# Altium PCB Science_Board_PCB.PcbDoc (part 2 of 2)
Units mil, origin at the board's own origin, x right, y up, seen from the top; angles counter-clockwise.
Board outline 5375 x 3000 mil, 4 copper layers (Top Layer, Mid Layer 1, Mid Layer 2, Bottom Layer), stack 78.937 mil thick; 228 components, 114 nets, 695 pads, 753 vias.
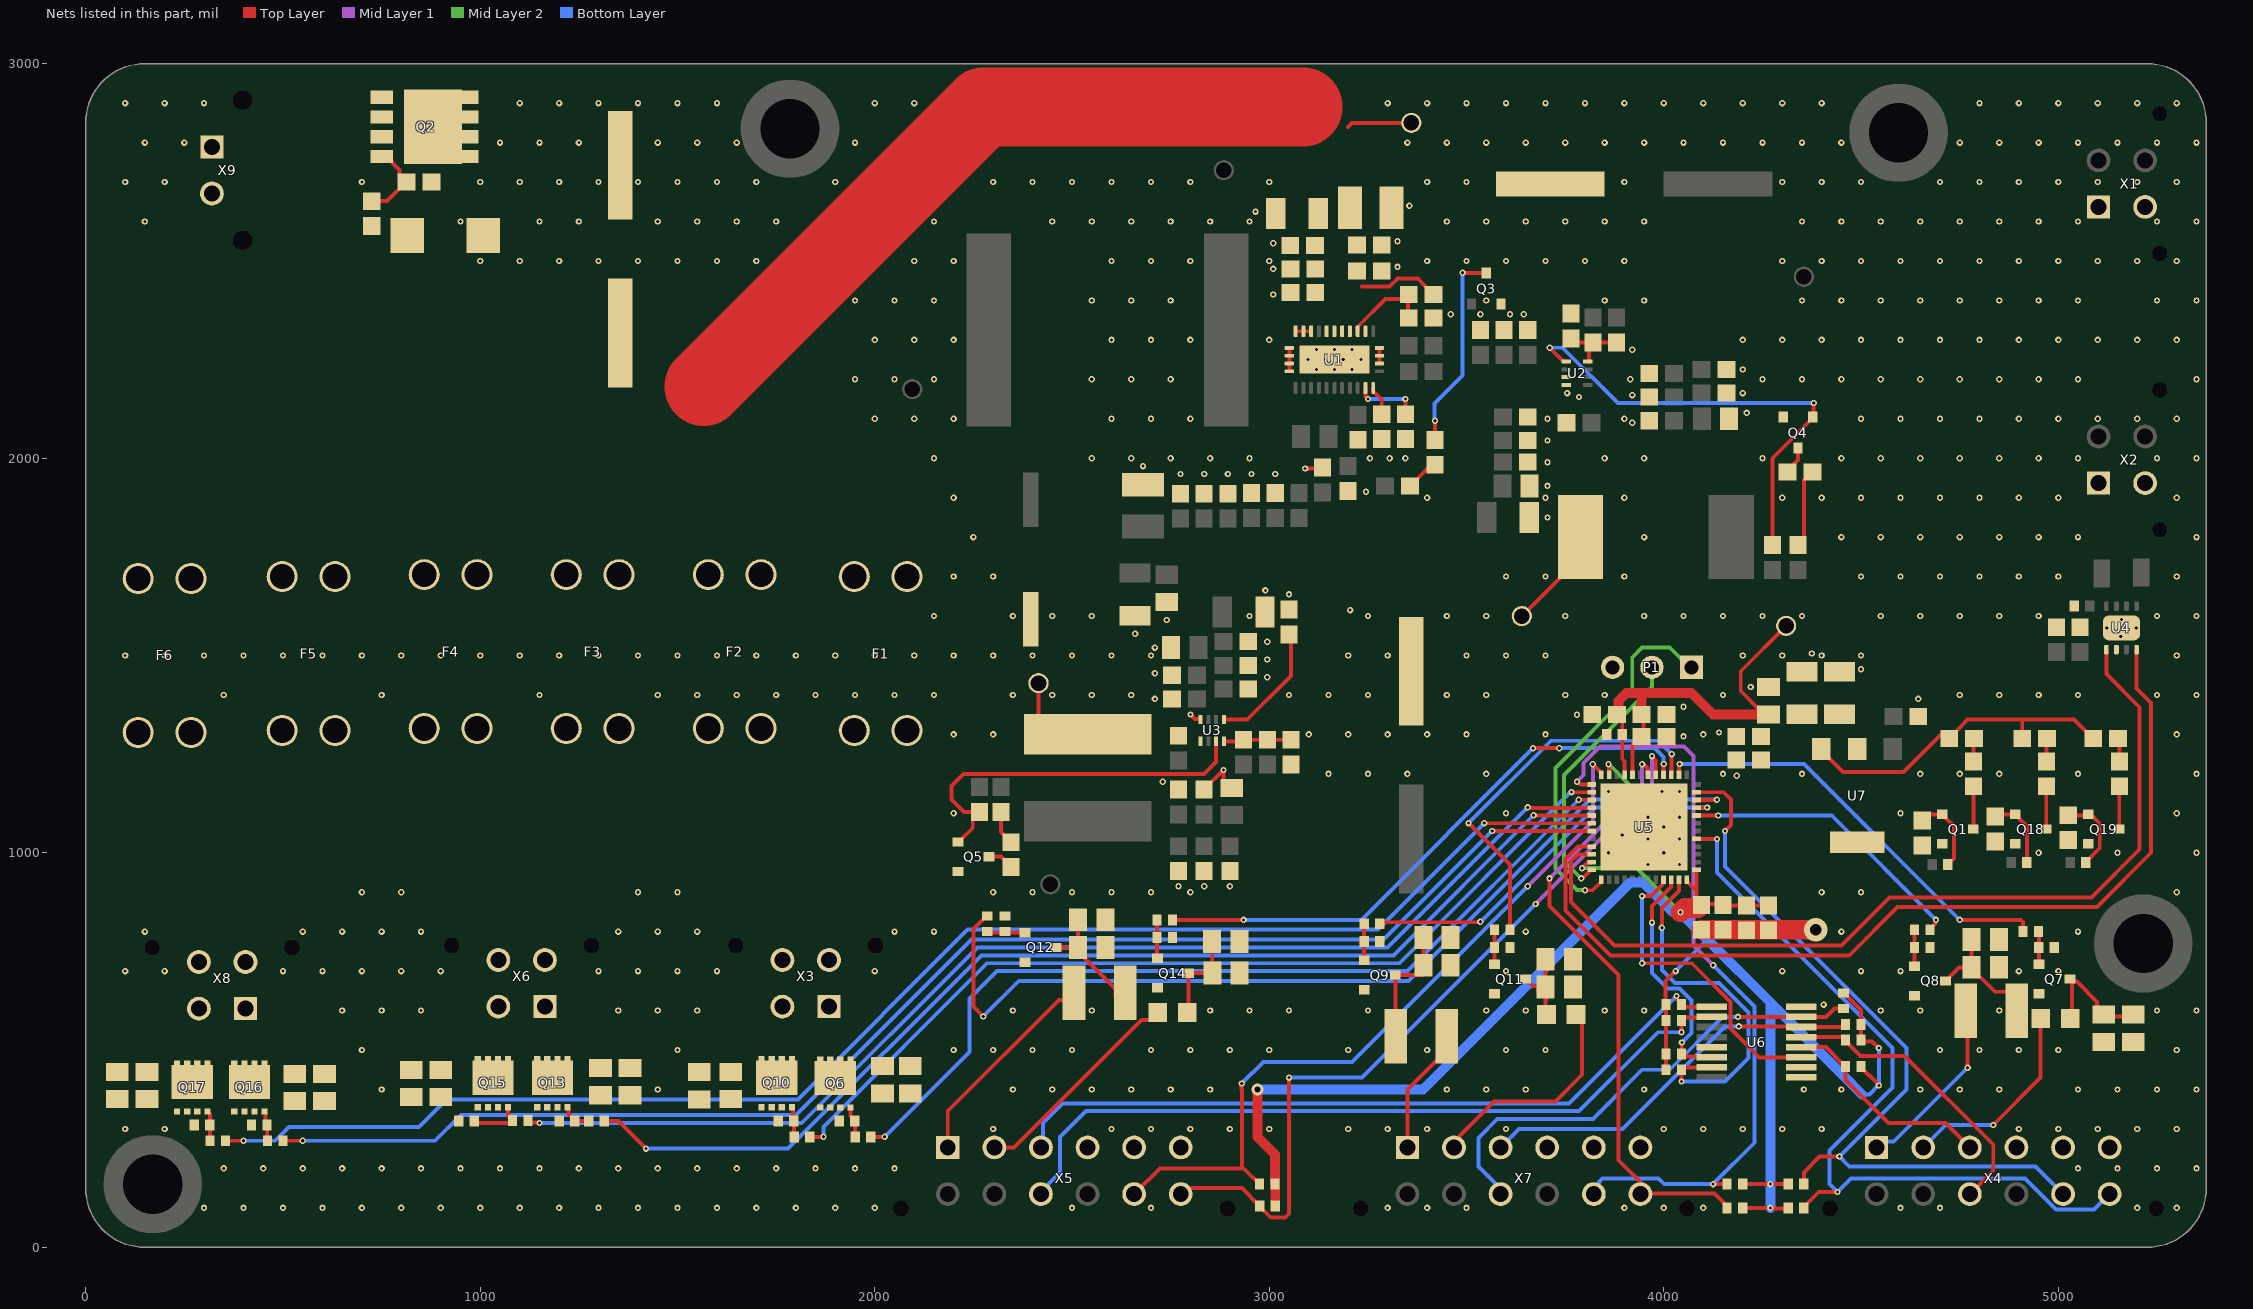
[diagram p4: the nets of this part, all layers, seen from the top]

## Via types
v1: diameter 16, hole 8, Top Layer to Bottom Layer, 734 vias
v2: diameter 11.81, hole 7.87, Top Layer to Bottom Layer, 14 vias
v3: diameter 30, hole 15, Top Layer to Bottom Layer, 4 vias
v4: diameter 60, hole 30, Top Layer to Bottom Layer, 1 vias

## Nets (pads, with @x,y where several pads share a name; then routed paths per layer and width w, separated by ;. In a path a pad name is that pad's centre, name@x,y a point inside that pad or via, vN(x,y) a via of type N, cw(c..) or ccw(c..) an arc to the next point about the centre after c; other vN are vias at no path point) (continued)
FB_3V3_BUCK: C51.2 R25.2 R26.1 U3.8 | length 171.7
  Top Layer w10: U3.8@2885,1282.44 2930.94,1282.44 C51.2@2935,1286.5 R25.2@2995,1286.5 R26.1@3055,1286.5
FB_5V_BUCK: C41.2 R19.2 R20.1 U2.8 | length 165.9
  Top Layer w10: R20.1@3755,2293.5 C41.2@3810,2293.5 ; U2.8@3807.56,2245 3809.92,2245 3810,2245.08 C41.2@3810,2293.5 ; R19.2@3870,2293.5 C41.2@3810,2293.5
FDCAN_RX: U4.4 U5.33 | length 2378.2
  Top Layer w10: U5.33@3817.13,1015.59 3782.34,1015.59 3751,984.25 3751,854.2 3865.2,740 4470,740 4592.5,862.5 5097.5,862.5 5235,1000 5235,1380 5198.39,1416.61 U4.4@5198.39,1514.88
FDCAN_TX: U4.1 U5.34 | length 2291.5
  Top Layer w10: U5.34@3817.13,995.91 3782.45,995.91 3765,978.45 3765,875 3875,765 4450,765 4571.94,886.94 5084.18,886.94 5206.12,1008.88 5206.12,1368.88 5121.61,1453.39 U4.1@5121.61,1514.88
GND: C1.2 C2.2 C3.2 C4.1 C5.2 C6.2 C7.2 C8.1 C9.2 C11.2 C12.2 C13.2 C14.2 C15.2 C16.2 C17.2 C18.2 C21.2 C22.2 C23.2 C24.2 C25.2 C26.2 C27.2 C28.2 C29.2 C30.2 C31.2 C33.2 C34.2 C35.2 C36.2 C37.2 C38.2 C39.2 C42.2 C43.2 C44.2 C45.2 C46.2 C47.2 C48.2 C52.2 C53.2 C54.2 C55.2 C56.2 C57.2 C58.2 C59.2 C60.2 C61.2 C62.2 C63.2 C64.2 C65.2 C66.2 C67.2 C68.2 C69.2 C70.2 C71.2 C72.2 C73.1 C74.2 C75.2 C76.2 C77.2 C78.2 C79.2 C80.2 C81.2 C82.2 C83.2 C84.2 C85.2 C86.2 C87.2 C88.2 C89.2 C90.2 C91.2 C92.2 C93.2 C94.2 C95.2 C96.2 C97.2 C98.2 D2.2 P1.3 Q1.2 Q2.3 Q3.2 Q4.2 Q5.2 Q6.2 Q7.2 Q8.2 Q9.2 Q10.2 Q11.2 Q12.2 Q13.2 Q14.2 Q15.2 Q16.2 Q17.2 Q18.2 Q19.2 R3.2 R7.1 R11.2 R13.1 R14.2 R20.2 R26.2 R29.1 R34.2 R35.2 R36.2 R40.2 R41.2 R42.2 R45.2 R47.2 R48.2 R50.2 R52.2 R54.2 R59.2 R60.2 R61.2 U1.13 U1.14 U1.15 U1.17 U1.19 U1.24 U1.25 U1.26 U1.27 U1.28 U1.29 U1.30 U1.31 U2.4 U3.4 U4.2 U4.9 U5.49 U6.1 U6.2 U6.8 U6.13 U7.2 X1.P$1 X1.P$3 X2.P$1 X2.P$3 X4.P$4 X4.P$5 X4.P$6 X5.P$4 X5.P$5 X5.P$6 X7.P$4 X7.P$5 X7.P$6 | length 643.6
  Top Layer w10: v1(2800.06,1350.51) 2811.8,1338.76 2825.87,1338.76 2825.94,1338.68 U3.4@2825.94,1337.56 ; C55.2@2835,1160 2835,1160.98 v1(2884.02,1210) 2884.02,1182.48 2901.85,1164.65 C53.2@2905,1164.65 ; C39.2@2947.48,1415 C39.2@2960,1415 ; U1.30@3050.83,2220.47 U1.29@3050.83,2240.16 U1.28@3050.83,2259.84 U1.27@3050.83,2279.53 ; U1.26@3066.57,2321.85 U1.25@3086.26,2321.85 U1.24@3105.94,2321.85 ; v1(3090.82,1974.18) 3132.68,1974.18 R11.2@3135,1976.5 ; U1.13@3279.17,2240.16 U1.14@3279.17,2259.84 U1.15@3279.17,2279.53
  Top Layer w50: C64.2@4095,805 C63.2@4150,805 v4(4385,805)
  other v1: 300,100 400,100 500,100 600,100 700,100 800,100 900,100 1000,100 1100,100 1200,100 1300,100 1400,100 1500,100 1600,100 1700,100 1800,100 1900,100 2000,100 2500,100 2700,100 3300,100 3400,100 3500,100 3900,100 4000,100 4100,100 4600,100 4700,100 5200,100 5300,100 350,200 450,200 550,200 650,200 750,200 850,200 950,200 1050,200 1150,200 1250,200 1350,200 1450,200 1550,200 1650,200 1750,200 1850,200 1950,200 2050,200 5050,200 5150,200 5250,200 5350,200 100,300 200,300 2300,300 2600,300 2700,300 2800,300 2900,300 3000,300 3200,300 3300,300 3400,300 3600,300 4000,300 4100,300 4200,300 4300,300 4400,300 4900,300 5000,300 5100,300 5200,300 5300,300 750,400 1450,400 2350,400 2450,400 2550,400 2650,400 2750,400 2850,400 3450,400 3550,400 3650,400 3950,400 4355,400 4450,400 4650,400 4750,400 4850,400 5050,400 5150,400 5250,400 5350,400 700,500 1500,500 2200,500 2300,500 2400,500 2500,500 2700,500 2800,500 2900,500 3000,500 3200,500 3400,500 3600,500 3700,500 4700,500 4800,500 4900,500 5000,500 5300,500 650,600 750,600 850,600 1350,600 1450,600 1550,600 2350,600 2550,600 2850,600 2950,600 3050,600 3250,600 3550,600 3650,600 3850,600 3950,600 4550,600 4650,600 4850,600 5250,600 5350,600 4405,615 100,700 200,700 500,700 600,700 700,700 800,700 900,700 1300,700 1400,700 1500,700 1600,700 2000,700 3600,700 4300,700 4500,700 4600,700 4900,700 5000,700 150,800 550,800 650,800 750,800 850,800 1350,800 1450,800 1550,800 2050,800 2150,800 3650,800 4450,800 5050,800 700,900 800,900 1400,900 1500,900 2300,900 2400,900 2500,900 2600,900 2700,900 2800,900 4400,900 4500,900 5300,900 2770,915 2835,915 2900,915 3960,970 4040,970 3860,1000 4000,1000 4950,1000 5150,1000 5350,1000 3960,1035 4040,1035 3894.47,1045.18 4000,1065 3960,1090 4040,1090 2200,1100 3600,1100 4600,1100 5300,1100 3860,1155 3995,1155 4040,1155 2730,1180 4185,1195 3150,1200 3250,1200 3350,1200 3550,1200 4150,1200 4350,1200 4650,1200 4750,1200 4850,1200 5050,1200 5350,1200 4050,1295 2200,1300 2300,1300 3100,1300 3200,1300 3300,1300 3400,1300 3500,1300 3700,1300 4100,1300 5300,1300 4140,1305 3780,1350 4050,1370 2710,1390 4645,1390 350,1400 750,1400 1150,1400 1450,1400 1550,1400 1650,1400 1750,1400 1850,1400 1950,1400 2050,1400 2150,1400 2350,1400 2450,1400 2550,1400 2650,1400 3050,1400 3150,1400 3250,1400 3450,1400 3550,1400 3750,1400 3850,1400 4150,1400 4750,1400 4850,1400 4950,1400 5050,1400 5250,1400 5350,1400 4220,1420 2995,1445 2710,1455 4500,1465 2995,1490 100,1500 200,1500 300,1500 400,1500 500,1500 600,1500 700,1500 800,1500 900,1500 1000,1500 1100,1500 1200,1500 1300,1500 1400,1500 1500,1500 1600,1500 1700,1500 1800,1500 1900,1500 2000,1500 2100,1500 2200,1500 2300,1500 2400,1500 2500,1500 2600,1500 2700,1500 3200,1500 3300,1500 3500,1500 3600,1500 3700,1500 4200,1500 4300,1500 4400,1500 4500,1500 5300,1500 4375,1505 2710,1520 2995,1535 2660,1555 2740,1590 2150,1600 2350,1600 2450,1600 2550,1600 2950,1600 3250,1600 3450,1600 3550,1600 3750,1600 3950,1600 4050,1600 4150,1600 4250,1600 4350,1600 4550,1600 4650,1600 4750,1600 4850,1600 4950,1600 5250,1600 5350,1600 3205,1615 3050,1655 2990,1665 2200,1700 2300,1700 3600,1700 3700,1700 3900,1700 4500,1700 4600,1700 4700,1700 4800,1700 4900,1700 5000,1700 5300,1700 2250,1800 3950,1800 4450,1800 4550,1800 4650,1800 4750,1800 4850,1800 4950,1800 5050,1800 5350,1800 3705,1850 2200,1900 3400,1900 3700,1900 3900,1900 4300,1900 4400,1900 4500,1900 4600,1900 4700,1900 4800,1900 4900,1900 5000,1900 5300,1900 3245,1915 3705,1930 2775,1960 2835,1960 2895,1960 2955,1960 3015,1960 2680,1980 3705,1990 2150,2000 2550,2000 2650,2000 2750,2000 2850,2000 2950,2000 3255,2000 3305,2000 3345,2000 3850,2000 3950,2000 4250,2000 4450,2000 4550,2000 4650,2000 4750,2000 4850,2000 4950,2000 5050,2000 5250,2000 5350,2000 3705,2045 3920,2090 2000,2100 2100,2100 2200,2100 2600,2100 2700,2100 2800,2100 3705,2100 3900,2100 4500,2100 4600,2100 4700,2100 4800,2100 4900,2100 5000,2100 5100,2100 5200,2100 5300,2100 4210,2115 3785,2155 3920,2160 3755,2165 4200,2165 1950,2200 2050,2200 2150,2200 2550,2200 2650,2200 2750,2200 3915,2200 4250,2200 4350,2200 4450,2200 4550,2200 4650,2200 4750,2200 4850,2200 4950,2200 5050,2200 5350,2200 4200,2225 3920,2275 2000,2300 2100,2300 2200,2300 2600,2300 2700,2300 2800,2300 3000,2300 4200,2300 4300,2300 4400,2300 4500,2300 4600,2300 4700,2300 4800,2300 4900,2300 5000,2300 5100,2300 5200,2300 5300,2300 3460,2365 3535,2365 3610,2365 3645,2365 1950,2400 2050,2400 2150,2400 2550,2400 2650,2400 2750,2400 3550,2400 3850,2400 3950,2400 4350,2400 4450,2400 4550,2400 4650,2400 4750,2400 4850,2400 4950,2400 5050,2400 5250,2400 5350,2400 3010,2415 3010,2480 3325,2485 1000,2500 1100,2500 1200,2500 1300,2500 1400,2500 1500,2500 1600,2500 1700,2500 2100,2500 2200,2500 2600,2500 2700,2500 2800,2500 3000,2500 3400,2500 3500,2500 3600,2500 3700,2500 3800,2500 3900,2500 4300,2500 4400,2500 4500,2500 4600,2500 4700,2500 4800,2500 4900,2500 5000,2500 5100,2500 5200,2500 5300,2500 3010,2545 3325,2550 150,2600 950,2600 1150,2600 1250,2600 1450,2600 1550,2600 1650,2600 1750,2600 2150,2600 2450,2600 2550,2600 2650,2600 2750,2600 2850,2600 2950,2600 3450,2600 3550,2600 3650,2600 3750,2600 3850,2600 3950,2600 4350,2600 4450,2600 4550,2600 4650,2600 4750,2600 4850,2600 4950,2600 5050,2600 5250,2600 5350,2600 2965,2625 3355,2640 100,2700 200,2700 700,2700 1000,2700 1100,2700 1200,2700 1300,2700 1400,2700 1500,2700 1600,2700 1700,2700 1900,2700 2300,2700 2400,2700 2500,2700 2600,2700 2700,2700 2800,2700 3000,2700 3400,2700 3500,2700 3900,2700 4300,2700 4400,2700 4500,2700 4700,2700 4800,2700 4900,2700 5000,2700 5100,2700 5200,2700 5300,2700 150,2800 250,2800 1050,2800 1150,2800 1250,2800 1450,2800 1550,2800 1650,2800 1950,2800 3350,2800 3450,2800 3550,2800 3650,2800 3750,2800 3850,2800 3950,2800 4050,2800 4150,2800 4250,2800 4350,2800 4450,2800 4750,2800 4850,2800 4950,2800 5050,2800 5150,2800 5250,2800 5350,2800 100,2900 200,2900 300,2900 1100,2900 1200,2900 1300,2900 1400,2900 1500,2900 1600,2900 2000,2900 2100,2900 3300,2900 3400,2900 3500,2900 3600,2900 3700,2900 3800,2900 3900,2900 4000,2900 4100,2900 4200,2900 4300,2900 4400,2900 4800,2900 4900,2900 5000,2900 5100,2900 5200,2900 5300,2900
  other v2: 5158.03,1548.35 5122.6,1570 5197.4,1570 5160,1591.65 3120.12,2224.41 3165,2224.41 3209.88,2224.41 3097.68,2250 3142.56,2250 3187.44,2250 3232.32,2250 3120.12,2275.59 3165,2275.59 3209.88,2275.59
HEATER_B0_GND: C83.1 C84.1 Q10.3 X3.P$2
HEATER_B1_GND: C93.1 C94.1 Q15.3 X6.P$2
HEATER_B2_GND: C97.1 C98.1 Q17.3 X8.P$2
HEATER_N0_GND: C75.1 C76.1 Q6.3 X3.P$1
HEATER_N1_GND: C89.1 C90.1 Q13.3 X6.P$1
HEATER_N2_GND: C95.1 C96.1 Q16.3 X8.P$1
I2C_MUX_RST: U5.45 U6.3 | length 788.8
  Top Layer w10: v1(3945,720) 4070.87,720 4169.29,621.58 4169.29,576.17 4169.29,554.06 4241.74,481.61 U6.3@4348.2,481.61 ; v1(3945,890) 3945.94,890.94 3968,890.94 3994.43,917.37 3998.31,921.25 3998.31,931.02 U5.45@3999.21,931.93
  Bottom Layer w10: v1(3945,720) v1(3945,890)
MCU_SCL: R28.1 U5.46 U6.14 | length 607.8
  Top Layer w10: v1(3970,822.94) 3970,865 4017.99,912.99 4017.99,931.02 U5.46@4018.9,931.93 ; R28.1@4045,490 4045.41,490.41 4045.41,518.76 v1(4045.82,519.18) ; R28.1@4046.69,483.31 4120.1,483.31 U6.14@4121.8,481.61
  Bottom Layer w10: v1(3970,822.94) 3970,695 4009.06,655.94 4039.9,655.94 4070,625.84 4070,543.35 v1(4045.82,519.18)
MCU_SDA: R27.1 U5.47 U6.15 | length 930.8
  Top Layer w10: v1(3995,810) 3995,860 4038.58,903.58 U5.47@4038.58,931.93 ; v1(4045,420) R27.1@4045,450 4045,450.17 4050.86,456.02 U6.15@4121.8,456.02
  Bottom Layer w10: v1(3995,810) 3995,703.35 4028.42,669.94 4140.06,669.94 4215,595 4215,480 4155,420 v1(4045,420)
NetC31_1: C31.1 U1.11 | length 76.9
  Top Layer w10: U1.11@3263.43,2178.15 3263.43,2168.46 3263.5,2168.39 3265.75,2168.39 3285,2149.13 C31.1@3285,2111.5
NetC77_1: C77.1 C78.1 Q7.3 R4.1 | length 330.6
  Top Layer w10: R4.1@5034.37,580 5034.37,673.19 5034.37,685.63 5034.37,676.97 5038.15,673.19 5046.81,673.19 5098.38,621.62 5098.38,606.27 C77.1@5115,589.65 C77.1@5124.27,589.65 ; C77.1@5115,584.65 5124.27,584.65 C78.1@5175.02,584.65 ; C78.1@5175.02,589.65 C78.1@5190,604.62
NetC79_1: C79.1 C80.1 Q8.3 R18.1 | length 301
  Top Layer w10: Q8.3@4714.37,675 4716.34,675 4723.15,681.81 4723.15,683.78 4748.38,709.01 4779.36,709.01 C80.1@4780.35,710 C79.1@4780.35,755 ; C80.1@4780.35,706.45 4780.35,703.9 4798.19,686.06 4800.74,686.06 4839.08,647.72 4871.42,647.72 4894.96,624.18 R18.1@4894.96,600
NetC81_1: C81.1 C82.1 Q9.3 R23.1 | length 351.3
  Top Layer w10: R23.1@3320.08,505 3319.37,505.71 Q9.3@3319.37,690 3390.35,690 C81.1@3390.35,785
NetC85_1: C85.1 C86.1 Q11.3 R6.1 | length 247.5
  Top Layer w10: Q11.3@3647.96,682.04 3649.3,682.04 3658.15,673.19 3658.15,671.85 3668.38,661.62 3682.52,661.62 3682.52,647.48 3688.23,641.77 3696.89,641.77 3702.6,636.06 3702.6,627.4 ; C86.1@3700,745 3700.35,744.65 C86.1@3700.35,730 C85.1@3700.35,660 3700.35,627.4 3700.35,592.24 R6.1@3702.6,590
NetC87_1: C87.1 C88.1 Q12.3 R24.1 | length 310.7
  Top Layer w4: R24.1@2620.35,659.57 R24.1@2634.92,645
  Top Layer w10: Q12.3@2459.37,760 C88.1@2515.35,760 ; C87.1@2515.35,830 C88.1@2515.35,760 ; R24.1@2610,635.08 2610,655 2533.19,731.81 2533.19,742.17 C88.1@2515.35,760
NetC91_1: C91.1 C92.1 Q14.3 R16.1 | length 241.9
  Top Layer w10: R16.1@2792.4,595 2795,597.6 Q14.3@2795,695 C92.1@2855.71,695 2855.35,695.35 C91.1@2855.35,775
NetD1_1: D1.1 R1.2 | length 85.6
  Top Layer w10: D1.1@4785,1231.5 R1.2@4785,1293.5 ; R1.2@4786.5,1290 R1.2@4803.15,1273.35
NetD1_2: D1.2 Q1.3 | length 108.8
  Top Layer w10: Q1.3@4784.37,1060 4784.37,1167.87 D1.2@4785,1168.5
NetD3_1: D3.1 R8.2 | length 61.5
  Top Layer w10: R8.2@3365,1945 3372.48,1945 3410,1982.52 D3.1@3410,1983.5
NetD3_2: D3.2 Q3.3 | length 514.4
  Top Layer w10: D3.2@3420,2046.5 v1(3420,2095) ; v1(3490,2470) 3490.32,2469.68 3549.69,2469.68 Q3.3@3550,2469.37
  Bottom Layer w10: v1@3419.18,2093.74 3419.18,2139.18 3490,2210 v1(3490,2470)
NetD4_1: D4.1 R15.2 | length 198
  Top Layer w10: R15.2@4340,1780 4355,1795 4355,1944.49 4371.5,1960.98 D4.1@4371.5,1965
NetD4_2: D4.2 Q4.3 | length 74.3
  Top Layer w10: D4.2@4308.5,1965 4309.49,1965 4340,1995.51 Q4.3@4340,2025.63
NetD5_1: D5.1 R21.1 | length 87.4
  Top Layer w10: R21.1@2320,1103.5 2320,1052.48 2345,1027.48 D5.1@2345,1026.5
NetD5_2: D5.2 Q5.3 | length 67.2
  Top Layer w10: Q5.3@2289.37,990 2319.49,990 2345,964.49 D5.2@2345,963.5
NetD6_1: D6.1 R2.2 | length 61.2
  Top Layer w10: D6.1@4970,1231.5 4970,1283.5 R2.2@4976.5,1290
NetD6_2: D6.2 Q18.3 | length 110.3
  Top Layer w10: D6.2@4965,1168.5 4969.37,1164.13 4969.37,1108.9 Q18.3@4969.37,1060
NetD7_1: D7.1 R55.2 | length 62
  Top Layer w10: D7.1@5155,1231.5 R55.2@5155,1293.5
NetD7_2: D7.2 Q19.3 | length 108.8
  Top Layer w10: Q19.3@5154.37,1060 5154.37,1167.87 D7.2@5155,1168.5
NetF1_2: F1.2 X3.P$3
NetF2_2: F2.2 X3.P$4
NetF3_2: F3.2 X6.P$3
NetF4_2: F4.2 X6.P$4
NetF5_2: F5.2 X8.P$3
NetF6_2: F6.2 X8.P$4
NetQ1_1: Q1.1 R56.2 R59.1 | length 229.9
  Top Layer w10: R59.1@4671.65,1094.58 R59.1@4655,1081.5 4670.91,1097.4 Q1.1@4705.63,1097.4 4708.3,1094.73 4710.27,1094.73 4714.41,1090.59 4714.41,1088.62 4735,1068.03 4735,985.32 4728.46,978.78 4726.5,978.78 4719.69,971.97 R56.2@4719.69,970 R56.2@4722.61,968.62
NetQ2_1: Q2.1 R5.2 R7.2 | length 206.4
  Top Layer w10: R5.2@725,2651.5 764.02,2651.5 R7.2@812.52,2700 ; Q2.1@750,2765 761.81,2765 795.87,2730.94 795.87,2716.65 R7.2@812.52,2700 ; R7.2@813.5,2700 R7.2@812.52,2700
NetQ2_2: Q2.2 X9.P$1
NetQ4_1: Q4.1 R17.1 U2.1 | length 1187.7
  Top Layer w10: v1@3710,2280 v1(3710.71,2280) 3745.71,2245 U2.1@3752.44,2245 ; R17.1@4275,1780 4275,2000 4378.85,2103.85 4378.85,2138.85 v1(4380,2140)
  Bottom Layer w10: v1(3710.71,2280) 3743.35,2280 3883.35,2140 v1(4380,2140)
NetQ5_1: Q5.1 R22.1 U3.7 | length 966.1
  Top Layer w10: Q5.1@2210.63,1027.4 2212.6,1027.4 2248.35,1063.15 2248.35,1086.85 R22.1@2265,1103.5 2225.98,1103.5 2194.35,1135.14 2194.35,1169.35 2225,1200 2835,1200 2865.32,1230.32 U3.7@2865.32,1282.44
NetQ6_1: Q6.1 R31.2 R34.1 | length 78.9
  Top Layer w10: Q6.1@1938.39,353.98 1938.39,333.27 1949.68,321.97 R34.1@1949.68,320 1950,319.69 1950,280.31 R31.2@1950.32,280
NetQ7_1: Q7.1 R32.2 R35.1 | length 78.1
  Top Layer w10: R35.1@4950.31,760 4950.47,759.84 4950.47,717.56 Q7.1@4950.63,717.4 ; R35.1@4950.47,765 R32.2@4950.47,800.16 ; R32.2@4950.79,800.16 R32.2@4950.94,800
NetQ8_1: Q8.1 R33.2 R36.1 | length 97.6
  Top Layer w10: Q8.1@4635.63,712.4 4635.63,765 R33.2@4635.63,810
NetQ9_1: Q9.1 R37.2 R40.1 | length 92.7
  Top Layer w10: R40.1@3240.32,775 R37.2@3240.32,820 ; Q9.1@3240.47,727.56 R40.1@3240.47,774.84
  Top Layer w25: R40.1@3240.32,775 R40.1@3240.47,774.84 ; Q9.1@3240.47,727.56 Q9.1@3240.63,727.4
NetQ10_1: Q10.1 R38.2 R41.1 | length 77.3
  Top Layer w10: Q10.1@1790,355 1792.34,352.66 1792.34,322.34 R41.1@1794.68,320 1795.16,319.53 1795.16,280.47 R38.2@1795.63,280
NetQ11_1: Q11.1 R39.2 R42.1 | length 87.6
  Top Layer w10: Q11.1@3570.63,717.4 R39.2@3570.63,805
NetQ12_1: Q12.1 R43.2 R45.1 | length 92.7
  Top Layer w10: R43.2@2287.91,797.4 Q12.1@2380.63,797.4
NetQ13_1: Q13.1 R44.2 R47.1 | length 78.3
  Top Layer w10: Q13.1@1221.18,355 1224.06,352.13 1224.06,337.6 1239.68,321.97 R47.1@1239.68,320 R44.2@1275.32,320
NetQ14_1: Q14.1 R46.2 R48.1 | length 98
  Top Layer w10: R46.2@2715.32,830 2715.79,829.53 2715.79,732.87 Q14.1@2716.26,732.4
NetQ15_1: Q15.1 R49.2 R50.1 | length 128.4
  Top Layer w10: R50.1@985,315 R49.2@1075.32,315 ; Q15.1@1070.59,355 1070.59,332.87 R49.2@1081.89,321.57
NetQ16_1: Q16.1 R51.2 R52.1 | length 77
  Top Layer w10: Q16.1@453.39,343.98 456.26,341.1 456.26,313.43 R52.1@459.69,310 460.16,309.53 460.16,270.47 R51.2@460.63,270
NetQ17_1: Q17.1 R53.2 R54.1 | length 76.7
  Top Layer w10: Q17.1@308.39,343.98 314.84,337.52 314.84,310 314.84,270.16 R53.2@315,270
NetQ18_1: Q18.1 R57.2 R60.1 | length 193.8
  Top Layer w10: R60.1@4840,1091.5 4845.91,1097.4 Q18.1@4890.63,1097.4 4892.6,1097.4 4899.41,1090.59 4899.41,1088.62 4920,1068.03 R57.2@4920,970
NetQ19_1: Q19.1 R58.2 R61.1 | length 205.4
  Top Layer w10: R61.1@5025,1095 5073.23,1095 Q19.1@5075.63,1097.4 5080.02,1099.08 5105,1074.1 5105,1012.28 5069.69,976.97 R58.2@5069.69,975
NetR3_1: R3.1 U3.1 | length 321
  Top Layer w10: U3.1@2885,1337.56 2944.21,1337.56 3055,1448.35 R3.1@3055,1553.5
NetR12_1: R12.1 R14.1 U1.18 | length 231.4
  Top Layer w10: U1.18@3224.06,2321.85 U1.18@3224.06,2321.85 3224.13,2333.22 3294.52,2403.6 R12.1@3350,2403.6 ; R14.1@3352.01,2345 R12.1@3352.01,2403.6 ; R12.1@3353.5,2408.6 R12.1@3353.5,2415
NetR13_2: R13.2 U1.10 | length 164.2
  Top Layer w10: U1.10@3243.74,2178.15 3243.82,2178.07 3243.82,2156.18 v1(3250,2150) ; R13.2@3345,2111.5 v1(3345,2150)
  Bottom Layer w10: v1(3250,2150) v1(3345,2150)
NetR31_1: R31.1 U5.27 | length 2260.8
  Top Layer w10: R31.1@1989.68,280 v1(2025,280) ; v1@3784.35,1134.35 3816.48,1134.35 U5.27@3817.13,1133.7
  Bottom Layer w10: v1(2025,280) 2240,495 2240,630.2 2309.8,700 3350,700 v1(3784.35,1134.35)
NetR32_1: R32.1 U5.14 | length 1088.4
  Top Layer w10: U5.14@4038.58,1197.68 4038.58,1223.58 v1(4040,1225) ; v1(4750,830) 4904.46,830 4910.31,824.14 R32.1@4910.31,800
  Bottom Layer w10: v1(4040,1225) 4355,1225 v1(4750,830)
NetR38_1: R38.1 U5.26 | length 2358.3
  Top Layer w10: R38.1@1835,280 v1(1870,280) ; v1@3766.15,1153.39 U5.26@3817.13,1153.39
  Bottom Layer w10: v1(1870,280) 1870,305 2285,720 3330,720 v1@3765.16,1155.16
  other v1: 3766.15,1153.63
NetR39_1: R39.1 U5.15 | length 981.8
  Top Layer w10: v1(3505,1075) 3610,970 R39.1@3610,805 ; U5.15@4018.9,1197.68 4019.45,1198.23 4019.45,1249.45 v1(4020,1250)
  Bottom Layer w10: v1(3505,1075) 3713.84,1283.84 3986.16,1283.84 v1(4020,1250)
NetR44_1: R44.1 U5.29 | length 2881.4
  Top Layer w10: R44.1@1314.68,320 1350,320 v1(1420,250) ; v1@3670,1094.33 U5.29@3817.13,1094.33
  Bottom Layer w10: v1(1420,250) 1780,250 2270,740 3315,740 v1(3670,1095)
NetR46_1: R46.1 U5.16 | length 1479.5
  Top Layer w10: R46.1@2754.68,830 v1(2935,830) ; v1(3668.35,1265) v1(3735,1265) ; U5.16@3999.21,1197.68 3999.21,1224.21 v1(4000,1225)
  Bottom Layer w10: v1(2935,830) 3233.35,830 v1(3668.35,1265) ; v1(3735,1265) 3976.65,1265 3998.85,1242.8 3998.85,1226.15 v1(4000,1225)
NetR49_1: R49.1 U5.28 | length 3031.5
  Top Layer w10: R49.1@1121.26,321.57 1126.69,316.15 1148.85,316.15 v1(1150,315) ; v1@3653.15,1114.02 U5.28@3817.13,1114.02
  Bottom Layer w10: v1@1150.32,315 1815,315 2260,760 3300,760 v1(3655,1115)
NetR51_1: R51.1 U5.31 | length 3637.3
  Top Layer w10: R51.1@500,270 v1(550,270) ; v1@3570,1054.98 U5.31@3817.13,1054.96
  Bottom Layer w10: v1(550,270) 885.81,270 950.81,335 1800,335 2245,780 3290,780 v1(3565,1055)
NetR53_1: R53.1 U5.30 | length 3796.3
  Top Layer w10: R53.1@354.37,270 v1(400,270) ; v1(3545,1075) 3545.18,1074.82 3816.95,1074.82 U5.30@3817.13,1074.65
  Bottom Layer w10: v1(400,270) 480,270 515,305 845,305 915,375 1805,375 2235,805 3275,805 v1(3545,1075)
NetR62_1: R62.1 U6.4 X4.P$3 | length 547.9
  Top Layer w10: U6.4@4348.2,507.2 4411.05,507.2 4454.47,463.78 R62.1@4458.5,463.78 ; R62.1@4460.63,458.03 4460.63,424.37 4570,315 4713.69,315 X4.P$3@4775.66,253.03
NetR63_1: R63.1 U6.5 X4.P$9 | length 749.2
  Top Layer w10: U6.5@4348.2,532.8 4453.5,532.8 4460.31,525.98 R63.1@4460.31,525 ; R63.1@4460.31,523.03 4498.35,485 4610,485 4835,260 4835,194.26 X4.P$9@4775.66,134.92
NetR64_1: R64.1 U6.6 X7.P$3 | length 1004.7
  Top Layer w10: v1(4190,560) 4190.81,559.19 4347.4,559.19 U6.6@4348.2,558.39 4453.7,558.39 R64.1@4460.31,565
  Bottom Layer w10: X7.P$3@3586.22,253.03 3633.19,300 3895.48,300 4155.48,560 v1(4190,560)
NetR65_1: R65.1 U6.7 X7.P$9 | length 1231.7
  Top Layer w10: v1(4188.13,583.98) 4411.48,583.98 4432.5,605 ; 4432.5,605.32 R65.1@4455,605.32
  Bottom Layer w10: X7.P$9@3598.69,136.31 3598.69,139.05 3587,150.74 3584.26,150.74 3530,205 3530,277.13 3577.87,325 3820,325 3945.03,450.03 4015.03,450.03 4148.98,583.98 v1(4188.13,583.98)
NetR66_1: R66.1 U6.9 X5.P$3 | length 1899
  Top Layer w10: v1(4032.09,637.09) 4033.24,635.95 4033.24,628.41 4044.68,616.97 R66.1@4044.68,615 ; R66.1@4046.2,616.52 4053.15,609.57 U6.9@4121.8,609.57
  Bottom Layer w10: X5.P$3@2426.21,261.14 2426.21,315.15 2476.06,365 3760,365 v1(4032.09,637.09)
NetR67_1: R67.1 U6.10 X5.P$9 | length 1965.3
  Top Layer w10: R67.1@4044.68,575 4044.68,545.32 v1(4045,545) ; R67.1@4046.67,581.99 4119.81,581.99 U6.10@4121.8,583.98
  Bottom Layer w10: X5.P$9@2410.3,130.3 2470,190 2470,280 2535,345 3785,345 3985,545 v1(4045,545)
SW_3V3_BUCK: C50.2 L3.1 TP6.1 U3.5 | length 227.7
  Top Layer w10: TP6.1@2415,1430 2415,1346.42 2461.18,1300.24 L3.1@2540,1300.24
SW_5V_BUCK: C40.2 L2.1 TP5.1 U2.3 | length 261.7
  Top Layer w10: TP5.1@3640,1600 3736.97,1696.97 3736.97,1747.91 L2.1@3789.06,1800
SWCLK: P1.1 U5.37 | length 952.5
  Top Layer w10: v1(3800,905) 3819.72,905 3841.73,927.01 U5.37@3841.73,931.93
  Mid Layer 2 w10: v1(3800,905) 3799.76,905.24 3779.76,905.24 3725,960 3725,1215 3920,1410 3920,1495 3945,1520 4015,1520 P1.1@4070,1465
SWDIO: P1.2 U5.36 | length 677.1
  Top Layer w10: v1(3790.67,935) 3791.82,936.15 3794.44,936.15 3811.3,953 3811.3,955.63 3812.2,956.54 U5.36@3817.13,956.54
  Mid Layer 2 w10: v1(3790.67,935) 3747.3,978.37 3747.3,1197.3 3970,1420 P1.2@3970,1465
THERM_B0: R69.1 U5.11 X4.P$11 | length 2010
  Top Layer w10: U5.11@4082.87,1153.39 4151.61,1153.39 4170,1135 4170,1070 v1(4155,1055) ; R69.1@4354.37,160 4355,160.63 4355,190 4395,230 v1(4445,230)
  Bottom Layer w10: v1(4155,1055) 4155,965 4615,505 4615,400 v1(4445,230) 4470,205 4941.81,205 X4.P$11@5011.89,134.92
THERM_B1: R71.1 U5.25 X7.P$11 | length 1962.7
  Top Layer w10: v1(3780,1180) 3781.62,1180 3788.55,1173.07 U5.25@3817.13,1173.07 ; v1(4125,160) 4155.53,160 R71.1@4157.77,162.23
  Mid Layer 1 w10: v1(3780,1180) 3796.67,1196.67 3796.67,1227.65 3837.86,1268.84 4051.16,1268.84 4075,1245 4075,765 v1(4125,715) v1@4125,713.38
  Bottom Layer w10: X7.P$11@3822.45,134.92 3822.45,148.51 3835.59,161.65 3835.59,165.59 3844.04,174.04 3987,174.04 4001.04,160 v1(4125,160) 4230,265 4230,610 v1(4125,715)
THERM_B2: R73.1 U5.24 X5.P$11 | length 1922.6
  Top Layer w10: X5.P$11@2657.45,134.92 2722.53,200 2935.32,200 R73.1@2975.32,160 ; v1(2930,415) 2930,400.31 2930.32,400 2930.32,200 ; v1@3820,1225 v1(3820,1224.33) 3841.73,1202.6 U5.24@3841.73,1197.68
  Mid Layer 1 w10: v1(3655,915) 3820,1080 v1(3820,1224.33)
  Bottom Layer w10: v1(2930,415) 2985,470 3210,470 v1(3655,915)
THERM_N0: R68.1 U5.5 X4.P$12 | length 2059.9
  Top Layer w10: U5.5@4082.87,1035.28 4083.01,1035.14 4134.86,1035.14 v1(4135,1035) ; R68.1@4354.69,101.97 4392.72,140 v1(4440,140)
  Bottom Layer w10: v1(4135,1035) 4135,950 4580,505 4580,405 4420,245 4420,160 v1(4440,140) 4474.04,174.04 4915.96,174.04 4994.2,95.8 5090.88,95.8 X4.P$12@5130,134.92
THERM_N1: R70.1 U5.18 X7.P$12 | length 1529.1
  Top Layer w10: v1(3710,935) 3710,865 3885,690 3885,220.68 3955.66,150.02 3968.79,136.89 4128.11,136.89 4153.5,111.5 4153.5,108.78 4154.43,107.85 R70.1@4157.15,107.85 ; v1(3945,1224.33) 3946.15,1223.18 3950.19,1223.18 3958.94,1214.44 3958.94,1198.58 U5.18@3959.84,1197.68
  Mid Layer 1 w10: v1(3710,935) 3945,1170 v1(3945,1224.33)
THERM_N2: R72.1 U5.17 X5.P$12 | length 2017.7
  Top Layer w10: X5.P$12@2775.56,134.92 2789.15,134.92 2804.23,150 2930.63,150 R72.1@2975.63,105 2975.63,103.03 3003.66,75 3040,75 3050,85 v1(3050,430) ; v1(3970,1245) 3970,1243.38 3979.53,1233.85 U5.17@3979.53,1197.68
  Mid Layer 1 w10: v1(3675,870) 3970,1165 v1(3970,1245)
  Bottom Layer w10: v1(3050,430) 3235,430 v1(3675,870)
UV_LED_0: R33.1 U5.8 | length 757.4
  Top Layer w10: U5.8@4082.87,1094.33 v1(4138.14,1094.33) ; R33.1@4671.29,813.78 R33.1@4674.69,805 4674.69,806.97 4688.85,821.14 4688.85,828.85 v1(4690,830)
  Bottom Layer w10: v1(4138.14,1094.33) 4425.67,1094.33 v1(4690,830)
UV_LED_0_GND: R18.2 X4.P$1 | length 421.1
  Top Layer w10: R18.2@4765.39,560 4770,555.39 v1(4770,455)
  Bottom Layer w10: X4.P$1@4539.44,253.03 4554.16,267.75 4582.75,267.75 v1(4770,455)
UV_LED_1: R37.1 U5.9 | length 979.6
  Top Layer w10: R37.1@3279.68,820 3283.54,823.85 3533.85,823.85 v1(3535,825) ; U5.9@4082.87,1114.02 4083.3,1114.44 4109.44,1114.44 v1(4109.86,1114.86)
  Bottom Layer w10: v1(3535,825) 3824.86,1114.86 v1(4109.86,1114.86)
UV_LED_1_GND: R23.2 X7.P$1 | length 326.5
  Top Layer w10: X7.P$1@3350,253.03 3350,400 3421.1,471.1 3426.42,471.1 3449.96,494.65 R23.2@3449.96,535
UV_LED_2: R43.1 U5.10 | length 2420.9
  Top Layer w10: v1(2275,585) 2250,610 2250,806.65 2283.03,839.68 R43.1@2285,839.68 ; U5.10@4082.87,1133.7 4083.3,1134.12 4134.12,1134.12 v1(4134.54,1134.54)
  Bottom Layer w10: v1@2274.58,584.58 2365,675 3353.35,675 3813.35,1135 4134.09,1135 v1(4134.54,1134.54)
UV_LED_2_GND: R24.2 X5.P$1 | length 572.6
  Top Layer w10: X5.P$1@2185,253.03 2185,345 2467.31,627.31 2481.46,627.31 2495.45,641.31 R24.2@2495.45,655.45 ; R24.2@2481.46,621.46 R24.2@2505,645
VBAT: C22.1 C23.1 C24.1 C25.1 C26.1 C27.1 C28.1 C29.1 D2.1 F1.1 F2.1 F3.1 F4.1 F5.1 F6.1 R5.1 R12.2 TP2.1 U1.20 U1.21 U1.22 X9.P$2 | length 2184.2
  Top Layer w10: 3200,2840 3210,2850 TP2.1@3360,2850 ; 3235,2435 3305,2435 3325,2455 3376.5,2455 3398.86,2432.64 3398.86,2431.65 3415.51,2415 R12.2@3416.5,2415
  Top Layer w200: 1566.55,2181.55 2275,2890 3086.18,2890
VBAT_MCU: C61.1 C62.1 C63.1 C64.1 C65.1 C66.1 C67.1 C68.1 C70.1 C71.1 C72.1 C73.2 C74.1 R1.1 R2.1 R27.2 R28.2 R55.1 R62.2 R63.2 R64.2 R65.2 R66.2 R67.2 R68.2 R69.2 R70.2 R71.2 R72.2 R73.2 TP8.1 U5.1 U5.20 U5.21 U5.23 U5.35 U5.48 U7.3 | length 6731.7
  Top Layer w10: v1@3792.46,961.38 3806.39,975.31 3816.22,975.31 U5.35@3817.13,976.22 ; v1(3860,1224.33) 3860.71,1223.62 3860.71,1198.39 U5.23@3861.42,1197.68 ; C67.1@3881.5,1350 C67.1@3883.25,1351.75 ; C67.1@3885,1353.5 C67.1@3883.25,1351.75 ; C68.1@3894.68,1295 3894.68,1237.46 3900.79,1231.36 U5.21@3900.79,1197.68 ; C68.1@3894.68,1300 3894.68,1340.32 C67.1@3883.25,1351.75 ; U5.20@3920.47,1197.68 3920.47,1272.64 3947.83,1300 3948.5,1300 C66.1@3948.82,1300 ; C65.1@3943.5,1350 C65.1@3950,1356.5 ; C66.1@3948.5,1305 C65.1@3948.5,1350 ; C65.1@3948.5,1356.5 C65.1@3948.5,1365 ; R27.2@4005.63,450 4005.47,450.16 4005.47,614.84 R66.2@4005.32,615 4004.76,615.55 4004.76,674.76 v1(4030,700) ; U5.48@4058.27,931.93 4058.27,927.01 4080.28,905 4082.87,905 ; C64.1@4082.87,889.17 4082.87,905 ; U5.1@4082.87,956.54 4082.87,905 ; C64.1@4087.87,870 C63.1@4140,870 ; C63.1@4140,866.3 C61.1@4260,866.3 ; R70.2@4199.69,100 v1(4270,100) 4271.15,98.85 R68.2@4311.91,98.85 ; R71.2@4199.69,160 v1(4270,160) R69.2@4315,160 ; C73.2@4265,1350.71 4247.17,1368.54 4236.46,1368.54 4195,1410 4195,1460 TP8.1@4310,1575 ; U7.3@4399.45,1263.11 4399.45,1259.17 4453.62,1205 4607.17,1205 R1.1@4707.34,1305.18 ; R65.2@4455,644.68 4456.97,644.68 4499.69,601.97 R64.2@4499.69,565 R63.2@4499.69,525 4502.8,521.88 4528.12,521.88 v1(4545,505) ; R62.2@4500,458.03 4500,456.06 4520.21,435.85 4520.77,435.85 4545,411.62 v1(4545,410) ; R1.1@4723.5,1290 4740,1306.65 4769.65,1337.83 4908.5,1337.83 ; R2.1@4908.5,1290 4908.5,1306.65 4908.5,1337.83 ; R55.1@5088.5,1290 5087.52,1290 5042.61,1334.91 5039.69,1337.83 4908.5,1337.83
  Top Layer w25: v3(2970,400) 2970,280 3014.68,235.31 R73.2@3014.68,160 ; 3015,121.47 R73.2@3015,160 ; C67.1@3885,1353.5 3885,1385 3905,1405 3943.5,1405 ; C65.1@3943.5,1350 3943.5,1405 ; C73.2@4265,1350.71 4124.29,1350.71 4070,1405 3943.5,1405
  Top Layer w50: v1(4042.37,849.28) 4053.08,860 C64.1@4087.01,860
  Mid Layer 2 w10: v1(3792.46,960.81) 3848.27,960.81 3862.46,975 3916.65,975 ; v1(3860,1224.33) 3860.67,1224.33 3916.65,1168.35 3916.65,975 ; v1(4042.37,849.28) 3916.65,975
  Bottom Layer w10: v1(4030,700) 4105,775 4115,775 ; 4502.5,387.5 4520.88,387.5 4543.38,410 v1(4545,410) v1(4545,505)
  Bottom Layer w25: v3(2970,400) 3390,400 3915,925 3947.25,925 4022.97,849.28 v1(4042.37,849.28) ; v1@4042.37,847.63 4110,780 ; 4115,775 4270,620 ; v1(4270,100) v1(4270,160) 4270,620 ; 4502.5,387.5 4498.5,391.5 4460,430 4270,620
WHITE_LED_0_GND: R4.2 X4.P$2 | length 531.4
  Top Layer w10: v1(4835,310) 4955,430 R4.2@4955,590.64
  Bottom Layer w10: X4.P$2@4657.55,253.03 4714.52,310 v1(4835,310)
WHITE_LED_1_GND: R6.2 X7.P$2 | length 568.3
  Top Layer w10: X7.P$2@3468.11,253.03 3468.11,266.62 3482.47,280.99 3482.47,282.47 3570,370 3725,370 3792.4,437.4 3792.4,575 R6.2@3777.4,590
WHITE_LED_2_GND: R16.2 X5.P$2 | length 556.1
  Top Layer w10: X5.P$2@2303.11,253.03 2353.12,253.03 2676.47,576.38 2698.98,576.38 R16.2@2717.6,595
pads on no net: U1.7 U1.23 U2.7 U4.5 U5.6 U5.7 U5.12 U5.13 U5.19 U5.22 U5.32 U5.39 U5.40 U5.41 U5.42 U5.43 U5.44 U6.11 U6.12 X1.1 X2.1 X3.1 X4.1 X5.1 X6.1 X7.1 X8.1 X9.1

## Polygon pours and split planes (outlines as drawn)
GND on Top Layer "GND_L01_P032" (solid, pour order 32): 0,0 5375,0 5375,3005 15,3005
3V3_BUCK_MAIN on Top Layer "3V3_BUCK_MAIN_L01_P025" (solid, pour order 25): 3405,890 3405,1175 2990,1175 2945,1130 2380,1130 2380,1030 2425,985 2930,985 3025,890
12V_5A_MAIN on Top Layer "12V_5A_MAIN_L01_P017" (solid, pour order 17): 3520,1680 3520,1875 2635,1875 2520,1990 2520,2505 2405,2620 2260,2620 2215,2575 2215,1895 2430,1680
NetF3_2 on Top Layer "NETF3_2_L01_P005" (solid, pour order 5): 1160,1390 1410,1390 1455,1345 1455,1005 1230,780 1230,710 1205,685 1135,685 1110,710 1110,1340 1110,710 1110,1340
NetF6_2 on Top Layer "NONET_L01_P001" (solid, pour order 1): 35,941.21 215,761.21 215,695 240,670 320,670 350,700 350,1350 310,1390 85,1390 35,1340
12V_5A_MAIN on Top Layer "12V_5A_MAIN_L01_P024" (solid, pour order 24): 3525,2290 3500,2265 3480,2245 3480,1925 3425,1870 3425,1665 3545,1665 3625,1745 3625,2140 3655,2170 3701.89,2220 3765,2220 3765,2231.38 3733.62,2231.38 3675,2290
5V on Top Layer "5V_L01_P026" (solid, pour order 26): 4215,1690 4215,1990 4130,2075 4130,2250 4285,2405 4285,2735 4240,2780 4040,2780 3990,2730 3990,1775 4075,1690
VBAT_MCU on Top Layer "VBAT_MCU_L01_P027" (solid, pour order 27): 4070,890.59 4064.41,885 4050,885 4050,835 4265,835 4315,885 4315,1200 4350,1235 4425,1235 4445,1255 4445,1285 4490,1330 4490,1385 4485,1390 4250,1390 4230,1370 4230,925 4195.59,890.59
NetQ2_2 on Top Layer "NETQ2_2_L01_P028" (solid, pour order 28): 645,2730 290,2730 270,2750 270,2825 315,2870 410,2870 475,2935 780,2935 780,2790 705,2790
SW_5V_BUCK on Top Layer "SW_5V_BUCK_L01_P021" (solid, pour order 21): 3701.85,2133.15 3730,2105 3730,1687.5 3850,1687.5 3850,1970 3780,2040 3780,2110 3725,2165 3725,2185 3738.66,2198.66 3765,2198.66 3765,2212.69 3714.54,2212.69 3701.85,2200
12V_5A_MAIN on Top Layer "12V_5A_MAIN_L01_P019" (solid, pour order 19): 2850,1355 2910,1415 2910,1645 2950,1685 2765,1685 2792.5,1657.5 2792.5,1399.57 2840,1352.07 2840,1325 2850,1325
VBAT on Top Layer "VBAT_L01_P000" (solid, pour order 0): 700,2620 605,2715 290,2715 270,2695 45,2470 45,2425 45,1645 110,1575 2095,1575 2165,1645 2165,1885 1930,2120 1930,2675 1720,2465 1015,2465 860,2620
NetF5_2 on Top Layer "NETF5_2_L01_P002" (solid, pour order 2): 360,694 360,1335 420,1395 695,1395 725,1365 725,1005 485,765 485,720 435,670 380,670
NetF4_2 on Top Layer "NETF4_2_L01_P004" (solid, pour order 4): 1100,1335 1100,705 1080,685 1020,685 960,745 960,795 755,1000 755,1365 785,1395 1053.33,1395
NetF2_2 on Top Layer "NETF2_2_L01_P006" (solid, pour order 6): 1470,1345 1510,1385 1790,1385 1815,1360 1815,705 1790,680 1725,680 1680,725 1680,785 1470,995
NetF1_2 on Top Layer "NETF1_2_L01_P007" (solid, pour order 7): 1825,710 1825,1360 1850,1385 2150,1385 2180,1355 2180,990 1960,770 1960,715 1930,685 1850,685
HEATER_B2_GND on Top Layer "HEATER_B2_GND_L01_P008" (solid, pour order 8): 205,645 35,475 35,410 180,410 215,375 340,375 340,645
HEATER_N2_GND on Top Layer "HEATER_N2_GND_L01_P009" (solid, pour order 9): 486.88,645 656.88,475 656.88,410 511.88,410 476.88,375 351.88,375 351.88,645
HEATER_B1_GND on Top Layer "HEATER_B1_GND_L01_P010" (solid, pour order 10): 964.06,650 794.06,480 794.06,415 939.06,415 974.06,380 1099.06,380 1099.06,650
HEATER_N1_GND on Top Layer "HEATER_N1_GND_L01_P011" (solid, pour order 11): 1245.94,650 1415.94,480 1415.94,415 1270.94,415 1235.94,380 1110.94,380 1110.94,650
HEATER_B0_GND on Top Layer "HEATER_B0_GND_L01_P012" (solid, pour order 12): 1684.06,650 1514.06,480 1514.06,415 1659.06,415 1694.06,380 1819.06,380 1819.06,650
HEATER_N0_GND on Top Layer "HEATER_N0_GND_L01_P013" (solid, pour order 13): 1965.94,650 2135.94,480 2135.94,435 2005,435 1950,380 1830.94,380 1830.94,650
VBAT on Top Layer "VBAT_L01_P014" (solid, pour order 14): 3079,2990 3134.55,2990 3290,2819 3290,2725 3250,2685 3250,2395 3191.73,2336.73 3191.73,2305 3140,2305 3140,2340 3090,2390 3090,2690 2980,2800 2980,2895.71
12V_5A_SW on Top Layer "12V_5A_SW_L01_P015" (solid, pour order 15): 3155,2195 3050,2195 2945,2300 2945,2350 2880,2350 2835,2305 2835,2085 2905,2015 3105,2015 3115,2025 3115,2085 3155,2125
SW_3V3_BUCK on Top Layer "SW_3V3_BUCK_L01_P022" (solid, pour order 22): 2835,1295 2770,1360 2365,1360 2365,1240 2715,1240 2740,1265 2835,1265
GND on Mid Layer 1 "GND_L02_P029" (solid, pour order 29): 0,0 6000,0 6000,3000 5995,2995 0,2995
GND on Mid Layer 2 "GND_L03_P030" (solid, pour order 30): 0,0 6000,0 6000,3000 5995,2995 0,2995
GND on Bottom Layer "GND_L04_P031" (solid, pour order 31): 0,0 6000,0 6000,3000 5995,2995 0,2995

## Silkscreen, mask and mechanical layers (free items; w line width, h text height)
Top Overlay:
  lines w10: 842.5,280 825,280 825,223.75 825,141.25 825,55 852.5,55 ; 987.5,60 987.5,275 ; 990,169.75 1137.51,169.75 ; 1140,55 1140,280 ; 1297.5,60 1297.5,280 ; 1457.5,60 1457.5,275 ; 4645,2470.74 4870,2470.74 ; 4650,1990.74 4875,1990.74 ; 4763.01,2475 4763.01,2590 ; 4768.01,1995 4768.01,2110
  lines w15: 205,660 1970,660 ; 207.54,547.92 1972.54,547.92 ; 210,775 1975,775 ; 1645,175.05 1760,175.05
  lines w20: 1070,50 1070,20 1215,20 1215,50 ; 4880,2445 4925,2445 4925,2505 4880,2505 ; 4885,1965 4930,1965 4930,2025 4885,2025 ; 665,55 1615,55 1615,280 665,280 665,55 ; 4645,2360 4875.51,2360 4875.51,2590 4645,2590 4645,2360 ; 4650,1880 4650,2110 4880.51,2110 4880.51,1880 4650,1880
  text "VBAT" at 3421,2836 h30
  text "-" at 35.02,2835 h100 r270
  text "12V_SW" at 2661,2711 h30
  text "+" at 33.34,2690 h100 r270
  text "CAN" at 4700,2615 h45
  text "H" at 4685,2505 h45
  text "L" at 4800,2505 h45
  text "5V_BUCK" at 4416,2446 h30
  text "GND" at 4700,2395 h45
  text "CAN" at 4710,2135 h45
  text "12V_MAIN" at 1981,2081 h30
  text "H" at 4690,2025 h45
  text "L" at 4805,2025 h45
  text "GND" at 4705,1915 h45
  text "B2" at 120,1880 h100
  text "N2" at 485,1880 h100
  text "B1" at 860,1880 h100
  text "N1" at 1220,1880 h100
  text "B0" at 1560,1875 h100
  text "N0" at 1935,1875 h100
  text "5V_SW" at 3451,1586 h30
  text "3V3_LDO" at 4370.49,1563.05 h30
  text "3V3_SW" at 2186,1416 h30
  text "GND DIO CLK" at 3816,1381 h30
  text "0" at 1765,925 h200
  text "1" at 1075,920 h200
  text "2" at 285,915 h200
  text "3V3_BUCK" at 2156,886 h30
  text "PWR" at 645,690 h60
  text "PWR" at 1390,690 h60
  text "GND" at 645,575 h60
  text "GND" at 1390,575 h60
  text "SITE 2" at 2335,465 h60
  text "SITE 1" at 3510,460 h60
  text "SITE 0" at 4670,440 h60
  text "WT-" at 2281,401 h30
  text "SCL" at 2396,401 h30
  text "SP-" at 2521,401 h30
  text "TB-" at 2636,401 h30
  text "TN-" at 2751,401 h30
  text "WT-" at 3436,401 h30
  text "SCL" at 3551,401 h30
  text "SP-" at 3676,401 h30
  text "TB-" at 3791,401 h30
  text "TN-" at 3906,401 h30
  text "UV-" at 2162.38,397.69 h30
  text "UV-" at 3317.38,397.69 h30
  text "WT-" at 4626,396 h30
  text "SCL" at 4741,396 h30
  text "SP-" at 4866,396 h30
  text "TB-" at 4981,396 h30
  text "TN-" at 5096,396 h30
  text "UV-" at 4507.38,392.69 h30
  text "WT+" at 2281,356 h30
  text "SDA" at 2396,356 h30
  text "SP+" at 2521,356 h30
  text "TB+" at 2636,356 h30
  text "TN+" at 2751,356 h30
  text "WT+" at 3436,356 h30
  text "SDA" at 3551,356 h30
  text "SP+" at 3676,356 h30
  text "TB+" at 3791,356 h30
  text "TN+" at 3906,356 h30
  text "UV+" at 2161,351 h30
  text "UV+" at 3316,351 h30
  text "WT+" at 4626,351 h30
  text "SDA" at 4741,351 h30
  text "SP+" at 4866,351 h30
  text "TB+" at 4981,351 h30
  text "TN+" at 5096,351 h30
  text "UV+" at 4506,346 h30
  text "SCL" at 1004.72,206.26 h45
  text "-" at 1670,180.02 h100
  text "UV" at 735,135 h45 r90
  text "NIN" at 1590,120 h45 r90
  text "LED" at 800,115 h45 r90
  text "WHT" at 895,115 h45 r90
  text "LED" at 965,115 h45 r90
  text "BEN" at 1425,110 h45 r90
  text "SDA" at 1005,90 h45
  text "SPCT" at 1240,90 h45 r90
  text "THRM" at 1365,85 h45 r90
  text "THRM" at 1530,85 h45 r90
  text "+" at 1670,58.34 h100
Bottom Overlay:
  drawing of 2885 lines, arcs and shapes, not listed
  text "Science Board" at 4860,1995 h184
  text "AB JW AL ZM / AJ SP NV" at 4875,1525 h120
Board Outline:
  the board outline again, w10